# Altium PCB PCB1.PcbDoc (part 5 of 6)
Units mil, origin at the board's own origin, x right, y up, seen from the top; angles counter-clockwise.
Board outline 6000 x 4000 mil, 2 copper layers (Top Layer, Bottom Layer); 1225 components, 1503 nets, 4471 pads, 66 vias.
Unrouted connection lines stored in the file: 2021.
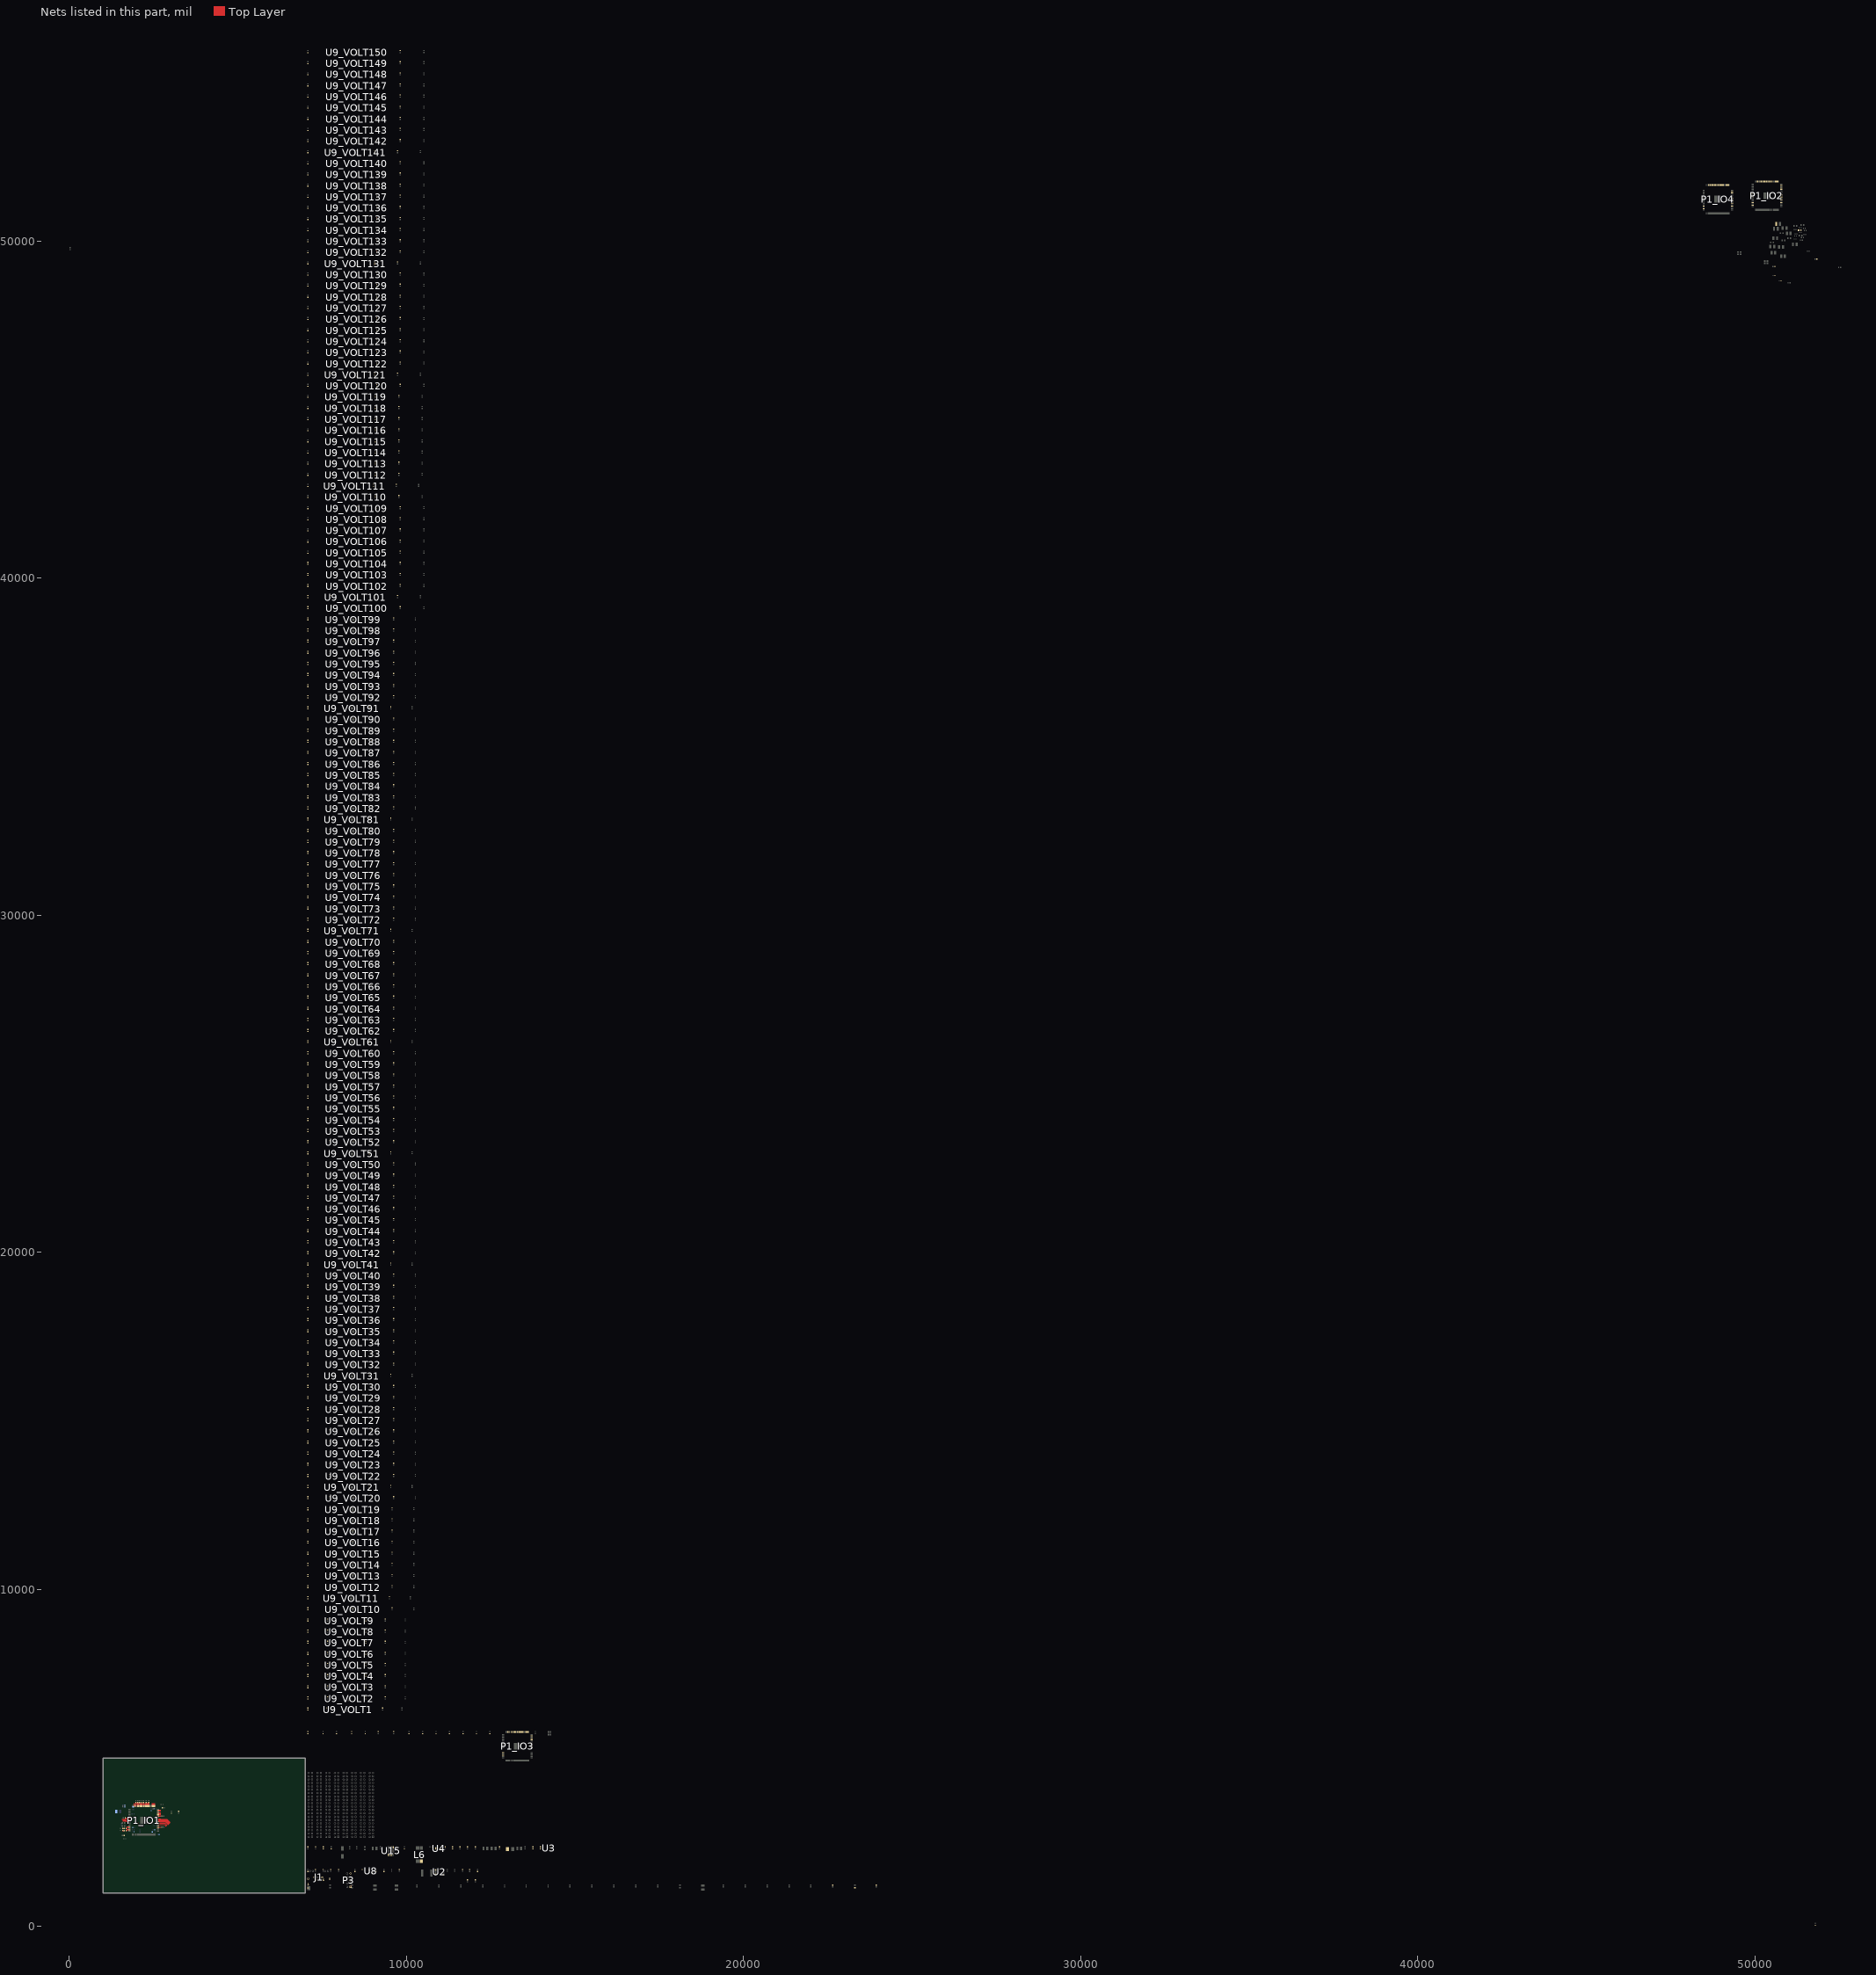
[diagram p5: the nets of this part, all layers, seen from the top]

## Via types
v1: diameter 24, hole 12, Top Layer to Bottom Layer, 66 vias

## Nets (pads, with @x,y where several pads share a name; then routed paths per layer and width w, separated by ;. In a path a pad name is that pad's centre, name@x,y a point inside that pad or via, vN(x,y) a via of type N, cw(c..) or ccw(c..) an arc to the next point about the centre after c; other vN are vias at no path point) (continued)
GPIO_44_IO1: P1_IO1.84 P1_IO2.84 | length 258.2
  Top Layer w7: P1_IO1.84@2636.02,3024.29 2825.71,3024.29 2874.13,2975.87
GPIO_44_IO3: P1_IO3.84 P1_IO4.84
GPIO_45_IO1: P1_IO1.86 P1_IO2.86 | length 290.8
  Top Layer w7: P1_IO1.86@2636.02,3063.66 2842.02,3063.66 2901.97,3003.71
GPIO_45_IO3: P1_IO3.86 P1_IO4.86
GPIO_46_IO1: P1_IO1.92 P1_IO2.92 | length 388.6
  Top Layer w7: P1_IO1.92@2636.02,3181.77 2890.94,3181.77 2985.49,3087.22
GPIO_46_IO3: P1_IO3.92 P1_IO4.92
GPIO_47_IO1: P1_IO1.93 P1_IO2.93 | length 77.2
  Top Layer w7: P1_IO1.93@2636.02,3201.46 2713.23,3201.46
GPIO_47_IO3: P1_IO3.93 P1_IO4.93
GPIO_48_IO1: P1_IO1.99 P1_IO2.99 | length 77.2
  Top Layer w7: P1_IO1.99@2636.02,3319.57 2713.23,3319.57
GPIO_48_IO3: P1_IO3.99 P1_IO4.99
GPIO_49_IO1: P1_IO1.100 P1_IO2.100 | length 77.2
  Top Layer w7: P1_IO1.100@2636.02,3339.25 2713.23,3339.25
GPIO_49_IO3: P1_IO3.100 P1_IO4.100
GPIO_50_IO1: P1_IO1.101 P1_IO2.101 | length 77.2
  Top Layer w7: P1_IO1.101@2636.02,3358.94 2713.23,3358.94
GPIO_50_IO3: P1_IO3.101 P1_IO4.101
GPIO_51_IO1: P1_IO1.102 P1_IO2.102 | length 77.2
  Top Layer w7: P1_IO1.102@2636.02,3378.62 2713.23,3378.62
GPIO_51_IO3: P1_IO3.102 P1_IO4.102
GPIO_52_IO1: P1_IO1.105 P1_IO2.105 | length 77.2
  Top Layer w7: P1_IO1.105@2636.02,3437.68 2713.23,3437.68
GPIO_52_IO3: P1_IO3.105 P1_IO4.105
GPIO_53_IO1: P1_IO1.106 P1_IO2.106 | length 77.2
  Top Layer w7: P1_IO1.106@2636.02,3457.36 2713.23,3457.36
GPIO_53_IO3: P1_IO3.106 P1_IO4.106
GPIO_54_IO1: P1_IO1.110 P1_IO2.110 | length 77.2
  Top Layer w7: P1_IO1.110@2538.07,3575 2538.07,3652.2
GPIO_54_IO3: P1_IO3.110 P1_IO4.110
GPIO_55_IO1: P1_IO1.111 P1_IO2.111 | length 77.2
  Top Layer w7: P1_IO1.111@2518.39,3575 2518.39,3652.2
GPIO_55_IO3: P1_IO3.111 P1_IO4.111
GPIO_56_IO1: P1_IO1.113 P1_IO2.113 | length 77.2
  Top Layer w7: P1_IO1.113@2479.02,3575 2479.02,3652.2
GPIO_56_IO3: P1_IO3.113 P1_IO4.113
GPIO_57_IO1: P1_IO1.114 P1_IO2.114 | length 77.2
  Top Layer w7: P1_IO1.114@2459.33,3575 2459.33,3652.2
GPIO_57_IO3: P1_IO3.114 P1_IO4.114
GPIO_58_IO1: P1_IO1.118 P1_IO2.118 | length 77.2
  Top Layer w7: P1_IO1.118@2380.59,3575 2380.59,3652.2
GPIO_58_IO3: P1_IO3.118 P1_IO4.118
GPIO_59_IO1: P1_IO1.119 P1_IO2.119 | length 77.2
  Top Layer w7: P1_IO1.119@2360.91,3575 2360.91,3652.2
GPIO_59_IO3: P1_IO3.119 P1_IO4.119
GPIO_60_IO1: P1_IO1.120 P1_IO2.120 | length 77.2
  Top Layer w7: P1_IO1.120@2341.22,3575 2341.22,3652.2
GPIO_60_IO3: P1_IO3.120 P1_IO4.120
GPIO_61_IO1: P1_IO1.124 P1_IO2.124 | length 77.2
  Top Layer w7: P1_IO1.124@2262.48,3575 2262.48,3652.2
GPIO_61_IO3: P1_IO3.124 P1_IO4.124
GPIO_62_IO1: P1_IO1.127 P1_IO2.127
GPIO_62_IO3: P1_IO3.127 P1_IO4.127
GPIO_63_IO1: P1_IO1.130 P1_IO2.130
GPIO_63_IO3: P1_IO3.130 P1_IO4.130
GPIO_64_IO1: P1_IO1.131 P1_IO2.131 | length 77.2
  Top Layer w7: P1_IO1.131@2124.68,3575 2124.68,3652.2
GPIO_64_IO3: P1_IO3.131 P1_IO4.131
GPIO_65_IO1: P1_IO1.132 P1_IO2.132 | length 77.2
  Top Layer w7: P1_IO1.132@2105,3575 2105,3652.2
GPIO_65_IO3: P1_IO3.132 P1_IO4.132
GPIO_66_IO1: P1_IO1.135 P1_IO2.135 | length 77.2
  Top Layer w7: P1_IO1.135@2045.94,3575 2045.94,3652.2
GPIO_66_IO3: P1_IO3.135 P1_IO4.135
GPIO_67_IO1: P1_IO1.140 P1_IO2.140 | length 77.2
  Top Layer w7: P1_IO1.140@1947.52,3575 1947.52,3652.2
GPIO_67_IO3: P1_IO3.140 P1_IO4.140
GPIO_68_IO1: P1_IO1.141 P1_IO2.141 | length 77.2
  Top Layer w7: P1_IO1.141@1927.83,3575 1927.83,3652.2
GPIO_68_IO3: P1_IO3.141 P1_IO4.141
GPIO_69_IO1: P1_IO1.28 P1_IO2.28 | length 77.2
  Top Layer w7: 1713.31,2965.24 P1_IO1.28@1790.51,2965.24
GPIO_69_IO3: P1_IO3.28 P1_IO4.28
GPIO_70_IO1: P1_IO1.29 P1_IO2.29 | length 77.2
  Top Layer w7: 1713.31,2945.55 P1_IO1.29@1790.51,2945.55
GPIO_70_IO3: P1_IO3.29 P1_IO4.29
GPIO_71_IO1: P1_IO1.88 P1_IO2.88 | length 323.4
  Top Layer w7: P1_IO1.88@2636.02,3103.03 2858.32,3103.03 2929.81,3031.55
GPIO_71_IO3: P1_IO3.88 P1_IO4.88
GPIO_72_IO1: P1_IO1.89 P1_IO2.89 | length 339.7
  Top Layer w7: P1_IO1.89@2636.02,3122.72 2866.48,3122.72 2943.73,3045.47
GPIO_72_IO3: P1_IO3.89 P1_IO4.89
GPIO_73_IO1: P1_IO1.90 P1_IO2.90 | length 356
  Top Layer w7: P1_IO1.90@2636.02,3142.4 2874.63,3142.4 2957.65,3059.38
GPIO_73_IO3: P1_IO3.90 P1_IO4.90
GPIO_74_IO1: P1_IO1.91 P1_IO2.91 | length 372.3
  Top Layer w7: P1_IO1.91@2636.02,3162.09 2882.79,3162.09 2971.57,3073.3
GPIO_74_IO3: P1_IO3.91 P1_IO4.91
ID0_IO1: P1_IO1.112 P1_IO2.112 R32.1 | length 77.2
  Top Layer w7: P1_IO1.112@2498.7,3575 2498.7,3652.2
ID0_IO3: P1_IO3.112 R30.2
ID0_IO4: P1_IO4.112 R24.1
ID1_IO1: P1_IO1.123 P1_IO2.123 R31.2 | length 77.2
  Top Layer w7: P1_IO1.123@2282.17,3575 2282.17,3652.2
ID1_IO3: P1_IO3.123 R25.1
ID1_IO4: P1_IO4.123 R23.1
IDD0: R34.2
IDD1: R33.2
LED0_IO1: P1_IO1.32 R8_IO1.2 | length 109.9
  Top Layer w10: R8_IO1.2@1692,2914 1719.5,2886.5 P1_IO1.32@1790.51,2886.5
LED0_IO2: P1_IO2.32 R8_IO2.2
LED0_IO3: P1_IO3.32 R8_IO3.2
LED0_IO4: P1_IO4.32 R8_IO4.2
LED1_IO1: P1_IO1.33 R21_IO1.2 | length 106.8
  Top Layer w10: R21_IO1.2@1694,2848 1697,2845 1707,2845 1728.81,2866.81 P1_IO1.33@1790.51,2866.81
LED1_IO2: P1_IO2.33 R21_IO2.2
LED1_IO3: P1_IO3.33 R21_IO3.2
LED1_IO4: P1_IO4.33 R21_IO4.2
NetC2_POWER1_2: C2_POWER1.2 C4_POWER1.2 C5_POWER1.2 C7_POWER1.2 C10_POWER1.1 C11_POWER1.1
NetC2_POWER2_2: C2_POWER2.2 C4_POWER2.2 C5_POWER2.2 C7_POWER2.2 C10_POWER2.1 C11_POWER2.1
NetC2_POWER3_2: C2_POWER3.2 C4_POWER3.2 C5_POWER3.2 C7_POWER3.2 C10_POWER3.1 C11_POWER3.1
NetC2_POWER4_2: C2_POWER4.2 C4_POWER4.2 C5_POWER4.2 C7_POWER4.2 C10_POWER4.1 C11_POWER4.1
NetC3_POWER1_2: C3_POWER1.2 C6_POWER1.2 C12_POWER1.2 C13_POWER1.2 C17_POWER1.2 C23_POWER1.2 C24_POWER1.2 C45_POWER1.2 C46_POWER1.1 C47_POWER1.2
  other v1: 2491,3494
NetC3_POWER2_2: C3_POWER2.2 C6_POWER2.2 C12_POWER2.2 C13_POWER2.2 C17_POWER2.2 C23_POWER2.2 C24_POWER2.2 C45_POWER2.2 C46_POWER2.1 C47_POWER2.2
NetC3_POWER3_2: C3_POWER3.2 C6_POWER3.2 C12_POWER3.2 C13_POWER3.2 C17_POWER3.2 C23_POWER3.2 C24_POWER3.2 C45_POWER3.2 C46_POWER3.1 C47_POWER3.2
NetC3_POWER4_2: C3_POWER4.2 C6_POWER4.2 C12_POWER4.2 C13_POWER4.2 C17_POWER4.2 C23_POWER4.2 C24_POWER4.2 C45_POWER4.2 C46_POWER4.1 C47_POWER4.2
NetC18_1: C18.1 L5.1 U3.3
NetC18_2: C18.2 R16.2
NetC21_2: C21.2 U3.1
NetC22_2: C22.2 U3.7
NetC25_2: C25.2 R17.1 R18.1 R19.1
NetC35_2: C35.2 R47.1
NetC63_2: C63.2 U15.5
NetD1_IO1_1: D1_IO1.1 R8_IO1.1 | length 41.4
  Top Layer w10: D1_IO1.1@1585.5,2912.91 1623.91,2912.91 R8_IO1.1@1626,2915
NetD1_IO2_1: D1_IO2.1 R8_IO2.1
NetD1_IO3_1: D1_IO3.1 R8_IO3.1
NetD1_IO4_1: D1_IO4.1 R8_IO4.1
NetD2_IO1_1: D2_IO1.1 R21_IO1.1 | length 50.3
  Top Layer w10: D2_IO1.1@1583.5,2851.91 1631.09,2851.91 R21_IO1.1@1633,2850
NetD2_IO2_1: D2_IO2.1 R21_IO2.1
NetD2_IO3_1: D2_IO3.1 R21_IO3.1
NetD2_IO4_1: D2_IO4.1 R21_IO4.1
NetD7_2: D7.2 L6.2 U15.1 U15.2
NetP1_IO1_15: P1_IO1.15 R1_IO1.2 | length 126
  Top Layer w10: R1_IO1.2@1665,3220 1666.14,3221.14 P1_IO1.15@1790.51,3221.14
NetP1_IO1_121: P1_IO1.121 R7_IO1.2 | length 122.4
  Top Layer w10: P1_IO1.121@2321.54,3575 2321.54,3641.54 2347.5,3667.5 2347.5,3670 2357.5,3680 R7_IO1.2@2360,3680
NetP1_IO1_122: P1_IO1.122 R6_IO1.2 | length 113.4
  Top Layer w10: R6_IO1.2@2285,3680 2287.5,3680 2301.85,3665.65 P1_IO1.122@2301.85,3575
NetP1_IO1_126: P1_IO1.126 R13_IO1.2 | length 190.3
  Top Layer w7: 2203.43,3575 2203.43,3652.2
  Top Layer w10: R13_IO1.2@2205,3680 2205,3652 2223.81,3633.19 2223.81,3575.7 P1_IO1.126@2223.11,3575
NetP1_IO1_129: P1_IO1.129 R5_IO1.2 | length 190.1
  Top Layer w7: 2144.37,3575 2144.37,3652.2
  Top Layer w10: R5_IO1.2@2145,3680 2145,3651 2164.06,3631.94 P1_IO1.129@2164.06,3575
NetP1_IO1_134: P1_IO1.134 R4_IO1.2 | length 114.5
  Top Layer w10: P1_IO1.134@2065.63,3575 2065.63,3660.63 2072.5,3667.5 2072.5,3670 2082.5,3680 R4_IO1.2@2085,3680
NetP1_IO1_136: P1_IO1.136 R3_IO1.2 | length 108.6
  Top Layer w10: P1_IO1.136@2026.26,3575 2026.26,3671.26 R3_IO1.2@2035,3680
NetP1_IO1_138: P1_IO1.138 R2_IO1.2 | length 111
  Top Layer w10: R2_IO1.2@1975,3680 1976.89,3680 1986.89,3670 P1_IO1.138@1986.89,3575
NetP1_IO2_15: P1_IO2.15 R1_IO2.2
NetP1_IO2_121: P1_IO2.121 R7_IO2.2
NetP1_IO2_122: P1_IO2.122 R6_IO2.2
NetP1_IO2_126: P1_IO2.126 R13_IO2.2
NetP1_IO2_129: P1_IO2.129 R5_IO2.2
NetP1_IO2_134: P1_IO2.134 R4_IO2.2
NetP1_IO2_136: P1_IO2.136 R3_IO2.2
NetP1_IO2_138: P1_IO2.138 R2_IO2.2
NetP1_IO3_15: P1_IO3.15 R1_IO3.2
NetP1_IO3_121: P1_IO3.121 R7_IO3.2
NetP1_IO3_122: P1_IO3.122 R6_IO3.2
NetP1_IO3_126: P1_IO3.126 R13_IO3.2
NetP1_IO3_129: P1_IO3.129 R5_IO3.2
NetP1_IO3_134: P1_IO3.134 R4_IO3.2
NetP1_IO3_136: P1_IO3.136 R3_IO3.2
NetP1_IO3_138: P1_IO3.138 R2_IO3.2
NetP1_IO4_15: P1_IO4.15 R1_IO4.2
NetP1_IO4_121: P1_IO4.121 R7_IO4.2
NetP1_IO4_122: P1_IO4.122 R6_IO4.2
NetP1_IO4_126: P1_IO4.126 R13_IO4.2
NetP1_IO4_129: P1_IO4.129 R5_IO4.2
NetP1_IO4_134: P1_IO4.134 R4_IO4.2
NetP1_IO4_136: P1_IO4.136 R3_IO4.2
NetP1_IO4_138: P1_IO4.138 R2_IO4.2
NetR9_1: R9.1 U4.6
NetR15_1: R15.1 U3.6
NetR16_1: R16.1 U3.5
NetR17_2: R17.2 U3.8
NetR26_VOLT1_2: R26_VOLT1.2 U9_VOLT1.2
NetR26_VOLT2_2: R26_VOLT2.2 U9_VOLT2.2
NetR26_VOLT3_2: R26_VOLT3.2 U9_VOLT3.2
NetR26_VOLT4_2: R26_VOLT4.2 U9_VOLT4.2
NetR26_VOLT5_2: R26_VOLT5.2 U9_VOLT5.2
NetR26_VOLT6_2: R26_VOLT6.2 U9_VOLT6.2
NetR26_VOLT7_2: R26_VOLT7.2 U9_VOLT7.2
NetR26_VOLT8_2: R26_VOLT8.2 U9_VOLT8.2
NetR26_VOLT9_2: R26_VOLT9.2 U9_VOLT9.2
NetR26_VOLT10_2: R26_VOLT10.2 U9_VOLT10.2
NetR26_VOLT11_2: R26_VOLT11.2 U9_VOLT11.2
NetR26_VOLT12_2: R26_VOLT12.2 U9_VOLT12.2
NetR26_VOLT13_2: R26_VOLT13.2 U9_VOLT13.2
NetR26_VOLT14_2: R26_VOLT14.2 U9_VOLT14.2
NetR26_VOLT15_2: R26_VOLT15.2 U9_VOLT15.2
NetR26_VOLT16_2: R26_VOLT16.2 U9_VOLT16.2
NetR26_VOLT17_2: R26_VOLT17.2 U9_VOLT17.2
NetR26_VOLT18_2: R26_VOLT18.2 U9_VOLT18.2
NetR26_VOLT19_2: R26_VOLT19.2 U9_VOLT19.2
NetR26_VOLT20_2: R26_VOLT20.2 U9_VOLT20.2
NetR26_VOLT21_2: R26_VOLT21.2 U9_VOLT21.2
NetR26_VOLT22_2: R26_VOLT22.2 U9_VOLT22.2
NetR26_VOLT23_2: R26_VOLT23.2 U9_VOLT23.2
NetR26_VOLT24_2: R26_VOLT24.2 U9_VOLT24.2
NetR26_VOLT25_2: R26_VOLT25.2 U9_VOLT25.2
NetR26_VOLT26_2: R26_VOLT26.2 U9_VOLT26.2
NetR26_VOLT27_2: R26_VOLT27.2 U9_VOLT27.2
NetR26_VOLT28_2: R26_VOLT28.2 U9_VOLT28.2
NetR26_VOLT29_2: R26_VOLT29.2 U9_VOLT29.2
NetR26_VOLT30_2: R26_VOLT30.2 U9_VOLT30.2
NetR26_VOLT31_2: R26_VOLT31.2 U9_VOLT31.2
NetR26_VOLT32_2: R26_VOLT32.2 U9_VOLT32.2
NetR26_VOLT33_2: R26_VOLT33.2 U9_VOLT33.2
NetR26_VOLT34_2: R26_VOLT34.2 U9_VOLT34.2
NetR26_VOLT35_2: R26_VOLT35.2 U9_VOLT35.2
NetR26_VOLT36_2: R26_VOLT36.2 U9_VOLT36.2
NetR26_VOLT37_2: R26_VOLT37.2 U9_VOLT37.2
NetR26_VOLT38_2: R26_VOLT38.2 U9_VOLT38.2
NetR26_VOLT39_2: R26_VOLT39.2 U9_VOLT39.2
NetR26_VOLT40_2: R26_VOLT40.2 U9_VOLT40.2
NetR26_VOLT41_2: R26_VOLT41.2 U9_VOLT41.2
NetR26_VOLT42_2: R26_VOLT42.2 U9_VOLT42.2
NetR26_VOLT43_2: R26_VOLT43.2 U9_VOLT43.2
NetR26_VOLT44_2: R26_VOLT44.2 U9_VOLT44.2
NetR26_VOLT45_2: R26_VOLT45.2 U9_VOLT45.2
NetR26_VOLT46_2: R26_VOLT46.2 U9_VOLT46.2
NetR26_VOLT47_2: R26_VOLT47.2 U9_VOLT47.2
NetR26_VOLT48_2: R26_VOLT48.2 U9_VOLT48.2
NetR26_VOLT49_2: R26_VOLT49.2 U9_VOLT49.2
NetR26_VOLT50_2: R26_VOLT50.2 U9_VOLT50.2
NetR26_VOLT51_2: R26_VOLT51.2 U9_VOLT51.2
NetR26_VOLT52_2: R26_VOLT52.2 U9_VOLT52.2
NetR26_VOLT53_2: R26_VOLT53.2 U9_VOLT53.2
NetR26_VOLT54_2: R26_VOLT54.2 U9_VOLT54.2
NetR26_VOLT55_2: R26_VOLT55.2 U9_VOLT55.2
NetR26_VOLT56_2: R26_VOLT56.2 U9_VOLT56.2
NetR26_VOLT57_2: R26_VOLT57.2 U9_VOLT57.2
NetR26_VOLT58_2: R26_VOLT58.2 U9_VOLT58.2
NetR26_VOLT59_2: R26_VOLT59.2 U9_VOLT59.2
NetR26_VOLT60_2: R26_VOLT60.2 U9_VOLT60.2
NetR26_VOLT61_2: R26_VOLT61.2 U9_VOLT61.2
NetR26_VOLT62_2: R26_VOLT62.2 U9_VOLT62.2
NetR26_VOLT63_2: R26_VOLT63.2 U9_VOLT63.2
NetR26_VOLT64_2: R26_VOLT64.2 U9_VOLT64.2
NetR26_VOLT65_2: R26_VOLT65.2 U9_VOLT65.2
NetR26_VOLT66_2: R26_VOLT66.2 U9_VOLT66.2
NetR26_VOLT67_2: R26_VOLT67.2 U9_VOLT67.2
NetR26_VOLT68_2: R26_VOLT68.2 U9_VOLT68.2
NetR26_VOLT69_2: R26_VOLT69.2 U9_VOLT69.2
NetR26_VOLT70_2: R26_VOLT70.2 U9_VOLT70.2
NetR26_VOLT71_2: R26_VOLT71.2 U9_VOLT71.2
NetR26_VOLT72_2: R26_VOLT72.2 U9_VOLT72.2
NetR26_VOLT73_2: R26_VOLT73.2 U9_VOLT73.2
NetR26_VOLT74_2: R26_VOLT74.2 U9_VOLT74.2
NetR26_VOLT75_2: R26_VOLT75.2 U9_VOLT75.2
NetR26_VOLT76_2: R26_VOLT76.2 U9_VOLT76.2
NetR26_VOLT77_2: R26_VOLT77.2 U9_VOLT77.2
NetR26_VOLT78_2: R26_VOLT78.2 U9_VOLT78.2
NetR26_VOLT79_2: R26_VOLT79.2 U9_VOLT79.2
NetR26_VOLT80_2: R26_VOLT80.2 U9_VOLT80.2
NetR26_VOLT81_2: R26_VOLT81.2 U9_VOLT81.2
NetR26_VOLT82_2: R26_VOLT82.2 U9_VOLT82.2
NetR26_VOLT83_2: R26_VOLT83.2 U9_VOLT83.2
NetR26_VOLT84_2: R26_VOLT84.2 U9_VOLT84.2
NetR26_VOLT85_2: R26_VOLT85.2 U9_VOLT85.2
NetR26_VOLT86_2: R26_VOLT86.2 U9_VOLT86.2
NetR26_VOLT87_2: R26_VOLT87.2 U9_VOLT87.2
NetR26_VOLT88_2: R26_VOLT88.2 U9_VOLT88.2
NetR26_VOLT89_2: R26_VOLT89.2 U9_VOLT89.2
NetR26_VOLT90_2: R26_VOLT90.2 U9_VOLT90.2
NetR26_VOLT91_2: R26_VOLT91.2 U9_VOLT91.2
NetR26_VOLT92_2: R26_VOLT92.2 U9_VOLT92.2
NetR26_VOLT93_2: R26_VOLT93.2 U9_VOLT93.2
NetR26_VOLT94_2: R26_VOLT94.2 U9_VOLT94.2
NetR26_VOLT95_2: R26_VOLT95.2 U9_VOLT95.2
NetR26_VOLT96_2: R26_VOLT96.2 U9_VOLT96.2
NetR26_VOLT97_2: R26_VOLT97.2 U9_VOLT97.2
NetR26_VOLT98_2: R26_VOLT98.2 U9_VOLT98.2
NetR26_VOLT99_2: R26_VOLT99.2 U9_VOLT99.2
NetR26_VOLT100_2: R26_VOLT100.2 U9_VOLT100.2
NetR26_VOLT101_2: R26_VOLT101.2 U9_VOLT101.2
NetR26_VOLT102_2: R26_VOLT102.2 U9_VOLT102.2
NetR26_VOLT103_2: R26_VOLT103.2 U9_VOLT103.2
NetR26_VOLT104_2: R26_VOLT104.2 U9_VOLT104.2
NetR26_VOLT105_2: R26_VOLT105.2 U9_VOLT105.2
NetR26_VOLT106_2: R26_VOLT106.2 U9_VOLT106.2
NetR26_VOLT107_2: R26_VOLT107.2 U9_VOLT107.2
NetR26_VOLT108_2: R26_VOLT108.2 U9_VOLT108.2
NetR26_VOLT109_2: R26_VOLT109.2 U9_VOLT109.2
NetR26_VOLT110_2: R26_VOLT110.2 U9_VOLT110.2
NetR26_VOLT111_2: R26_VOLT111.2 U9_VOLT111.2
NetR26_VOLT112_2: R26_VOLT112.2 U9_VOLT112.2
NetR26_VOLT113_2: R26_VOLT113.2 U9_VOLT113.2
NetR26_VOLT114_2: R26_VOLT114.2 U9_VOLT114.2
NetR26_VOLT115_2: R26_VOLT115.2 U9_VOLT115.2
NetR26_VOLT116_2: R26_VOLT116.2 U9_VOLT116.2
NetR26_VOLT117_2: R26_VOLT117.2 U9_VOLT117.2
NetR26_VOLT118_2: R26_VOLT118.2 U9_VOLT118.2
NetR26_VOLT119_2: R26_VOLT119.2 U9_VOLT119.2
NetR26_VOLT120_2: R26_VOLT120.2 U9_VOLT120.2
NetR26_VOLT121_2: R26_VOLT121.2 U9_VOLT121.2
NetR26_VOLT122_2: R26_VOLT122.2 U9_VOLT122.2
NetR26_VOLT123_2: R26_VOLT123.2 U9_VOLT123.2
NetR26_VOLT124_2: R26_VOLT124.2 U9_VOLT124.2
NetR26_VOLT125_2: R26_VOLT125.2 U9_VOLT125.2
NetR26_VOLT126_2: R26_VOLT126.2 U9_VOLT126.2
NetR26_VOLT127_2: R26_VOLT127.2 U9_VOLT127.2
NetR26_VOLT128_2: R26_VOLT128.2 U9_VOLT128.2
NetR26_VOLT129_2: R26_VOLT129.2 U9_VOLT129.2
NetR26_VOLT130_2: R26_VOLT130.2 U9_VOLT130.2
NetR26_VOLT131_2: R26_VOLT131.2 U9_VOLT131.2
NetR26_VOLT132_2: R26_VOLT132.2 U9_VOLT132.2
NetR26_VOLT133_2: R26_VOLT133.2 U9_VOLT133.2
NetR26_VOLT134_2: R26_VOLT134.2 U9_VOLT134.2
NetR26_VOLT135_2: R26_VOLT135.2 U9_VOLT135.2
NetR26_VOLT136_2: R26_VOLT136.2 U9_VOLT136.2
NetR26_VOLT137_2: R26_VOLT137.2 U9_VOLT137.2
NetR26_VOLT138_2: R26_VOLT138.2 U9_VOLT138.2
NetR26_VOLT139_2: R26_VOLT139.2 U9_VOLT139.2
NetR26_VOLT140_2: R26_VOLT140.2 U9_VOLT140.2
NetR26_VOLT141_2: R26_VOLT141.2 U9_VOLT141.2
NetR26_VOLT142_2: R26_VOLT142.2 U9_VOLT142.2
NetR26_VOLT143_2: R26_VOLT143.2 U9_VOLT143.2
NetR26_VOLT144_2: R26_VOLT144.2 U9_VOLT144.2
NetR26_VOLT145_2: R26_VOLT145.2 U9_VOLT145.2
NetR26_VOLT146_2: R26_VOLT146.2 U9_VOLT146.2
NetR26_VOLT147_2: R26_VOLT147.2 U9_VOLT147.2
NetR26_VOLT148_2: R26_VOLT148.2 U9_VOLT148.2
NetR26_VOLT149_2: R26_VOLT149.2 U9_VOLT149.2
NetR26_VOLT150_2: R26_VOLT150.2 U9_VOLT150.2
NetR27_VOLT1_1: R27_VOLT1.1 U9_VOLT1.7
NetR27_VOLT2_1: R27_VOLT2.1 U9_VOLT2.7
NetR27_VOLT3_1: R27_VOLT3.1 U9_VOLT3.7
NetR27_VOLT4_1: R27_VOLT4.1 U9_VOLT4.7
NetR27_VOLT5_1: R27_VOLT5.1 U9_VOLT5.7
NetR27_VOLT6_1: R27_VOLT6.1 U9_VOLT6.7
NetR27_VOLT7_1: R27_VOLT7.1 U9_VOLT7.7
NetR27_VOLT8_1: R27_VOLT8.1 U9_VOLT8.7
NetR27_VOLT9_1: R27_VOLT9.1 U9_VOLT9.7
NetR27_VOLT10_1: R27_VOLT10.1 U9_VOLT10.7
NetR27_VOLT11_1: R27_VOLT11.1 U9_VOLT11.7
NetR27_VOLT12_1: R27_VOLT12.1 U9_VOLT12.7
NetR27_VOLT13_1: R27_VOLT13.1 U9_VOLT13.7
NetR27_VOLT14_1: R27_VOLT14.1 U9_VOLT14.7
NetR27_VOLT15_1: R27_VOLT15.1 U9_VOLT15.7
NetR27_VOLT16_1: R27_VOLT16.1 U9_VOLT16.7
NetR27_VOLT17_1: R27_VOLT17.1 U9_VOLT17.7
NetR27_VOLT18_1: R27_VOLT18.1 U9_VOLT18.7
NetR27_VOLT19_1: R27_VOLT19.1 U9_VOLT19.7
NetR27_VOLT20_1: R27_VOLT20.1 U9_VOLT20.7
NetR27_VOLT21_1: R27_VOLT21.1 U9_VOLT21.7
NetR27_VOLT22_1: R27_VOLT22.1 U9_VOLT22.7
NetR27_VOLT23_1: R27_VOLT23.1 U9_VOLT23.7
NetR27_VOLT24_1: R27_VOLT24.1 U9_VOLT24.7
NetR27_VOLT25_1: R27_VOLT25.1 U9_VOLT25.7
NetR27_VOLT26_1: R27_VOLT26.1 U9_VOLT26.7
NetR27_VOLT27_1: R27_VOLT27.1 U9_VOLT27.7
NetR27_VOLT28_1: R27_VOLT28.1 U9_VOLT28.7
NetR27_VOLT29_1: R27_VOLT29.1 U9_VOLT29.7
NetR27_VOLT30_1: R27_VOLT30.1 U9_VOLT30.7
NetR27_VOLT31_1: R27_VOLT31.1 U9_VOLT31.7
NetR27_VOLT32_1: R27_VOLT32.1 U9_VOLT32.7
NetR27_VOLT33_1: R27_VOLT33.1 U9_VOLT33.7
NetR27_VOLT34_1: R27_VOLT34.1 U9_VOLT34.7
NetR27_VOLT35_1: R27_VOLT35.1 U9_VOLT35.7
NetR27_VOLT36_1: R27_VOLT36.1 U9_VOLT36.7
NetR27_VOLT37_1: R27_VOLT37.1 U9_VOLT37.7
NetR27_VOLT38_1: R27_VOLT38.1 U9_VOLT38.7
NetR27_VOLT39_1: R27_VOLT39.1 U9_VOLT39.7
NetR27_VOLT40_1: R27_VOLT40.1 U9_VOLT40.7
NetR27_VOLT41_1: R27_VOLT41.1 U9_VOLT41.7
NetR27_VOLT42_1: R27_VOLT42.1 U9_VOLT42.7
NetR27_VOLT43_1: R27_VOLT43.1 U9_VOLT43.7
NetR27_VOLT44_1: R27_VOLT44.1 U9_VOLT44.7
NetR27_VOLT45_1: R27_VOLT45.1 U9_VOLT45.7
NetR27_VOLT46_1: R27_VOLT46.1 U9_VOLT46.7
NetR27_VOLT47_1: R27_VOLT47.1 U9_VOLT47.7
NetR27_VOLT48_1: R27_VOLT48.1 U9_VOLT48.7
NetR27_VOLT49_1: R27_VOLT49.1 U9_VOLT49.7
NetR27_VOLT50_1: R27_VOLT50.1 U9_VOLT50.7
NetR27_VOLT51_1: R27_VOLT51.1 U9_VOLT51.7
NetR27_VOLT52_1: R27_VOLT52.1 U9_VOLT52.7
NetR27_VOLT53_1: R27_VOLT53.1 U9_VOLT53.7
NetR27_VOLT54_1: R27_VOLT54.1 U9_VOLT54.7
NetR27_VOLT55_1: R27_VOLT55.1 U9_VOLT55.7
NetR27_VOLT56_1: R27_VOLT56.1 U9_VOLT56.7
NetR27_VOLT57_1: R27_VOLT57.1 U9_VOLT57.7
NetR27_VOLT58_1: R27_VOLT58.1 U9_VOLT58.7
NetR27_VOLT59_1: R27_VOLT59.1 U9_VOLT59.7
NetR27_VOLT60_1: R27_VOLT60.1 U9_VOLT60.7
NetR27_VOLT61_1: R27_VOLT61.1 U9_VOLT61.7
NetR27_VOLT62_1: R27_VOLT62.1 U9_VOLT62.7
NetR27_VOLT63_1: R27_VOLT63.1 U9_VOLT63.7
NetR27_VOLT64_1: R27_VOLT64.1 U9_VOLT64.7
NetR27_VOLT65_1: R27_VOLT65.1 U9_VOLT65.7
NetR27_VOLT66_1: R27_VOLT66.1 U9_VOLT66.7
NetR27_VOLT67_1: R27_VOLT67.1 U9_VOLT67.7
NetR27_VOLT68_1: R27_VOLT68.1 U9_VOLT68.7
NetR27_VOLT69_1: R27_VOLT69.1 U9_VOLT69.7
NetR27_VOLT70_1: R27_VOLT70.1 U9_VOLT70.7